# Altium PCB BMD-300-Eval.PcbDoc (part 3 of 3)
Units mm, origin at the board's own origin, x right, y up, seen from the top; angles counter-clockwise.
Board outline 87.63 x 55.88 mm, 4 copper layers (Top, Layer 2, Layer 3, Bottom), stack 1.58 mm thick; 189 components, 108 nets, 599 pads, 464 vias.
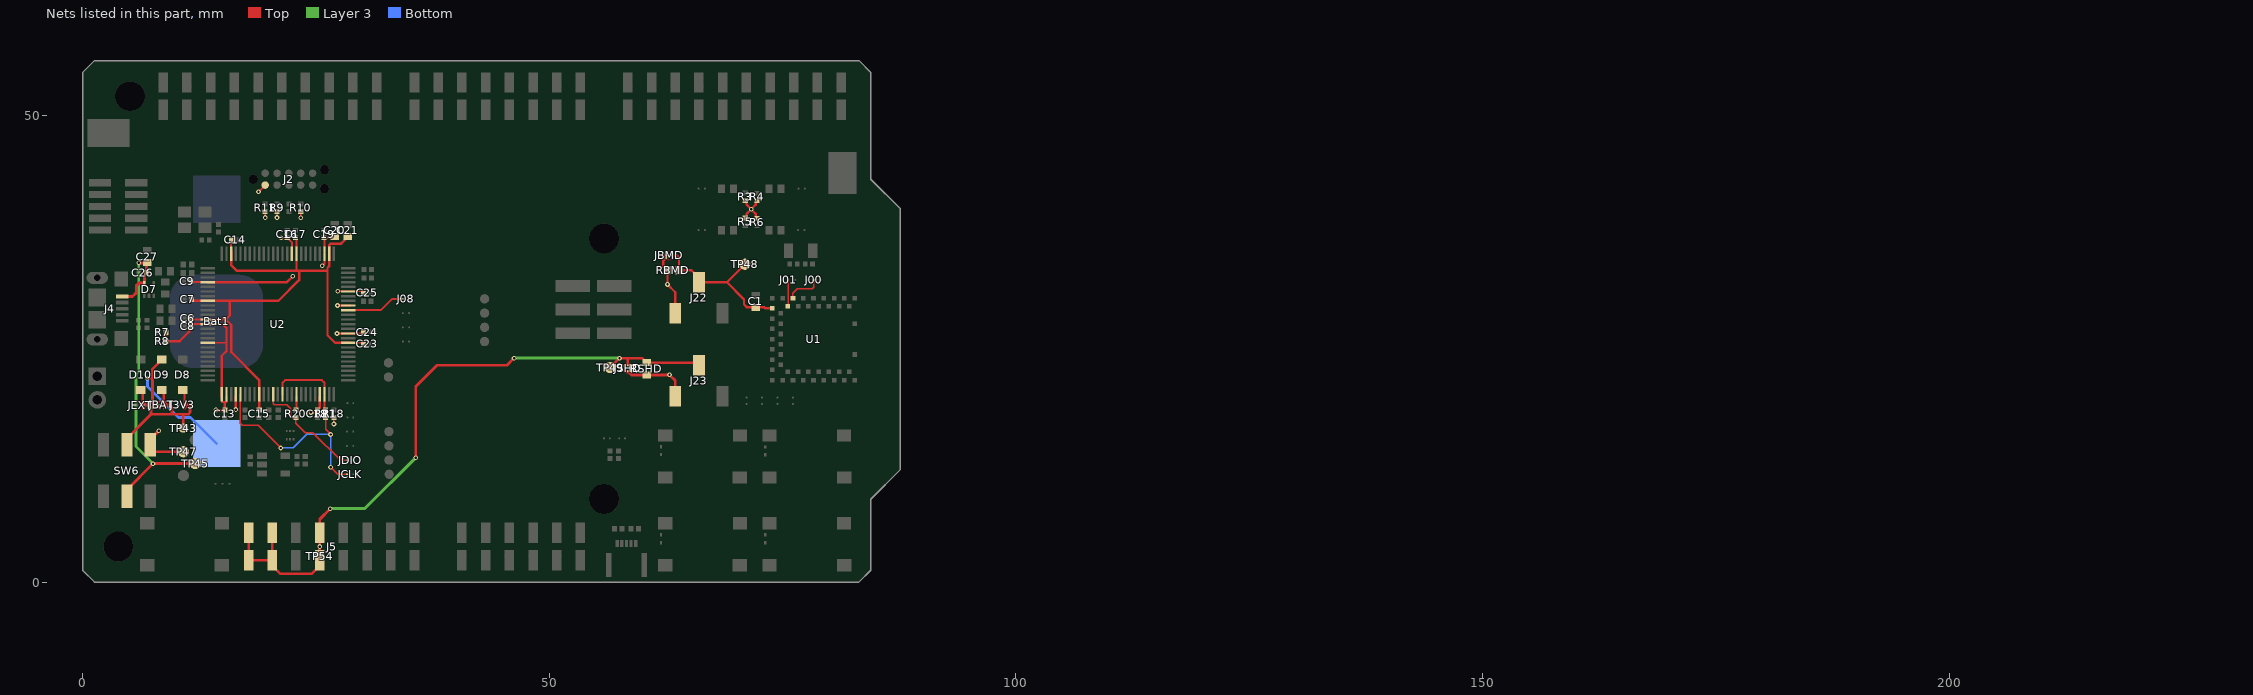
[diagram p5: the nets of this part, all layers, seen from the top]

## Via types
v1: diameter 0.508, hole 0.254, Top to Bottom, tented both sides, 241 vias
v2: diameter 0.508, hole 0.254, Top to Bottom, 223 vias

## Nets (pads, with @x,y where several pads share a name; then routed paths per layer and width w, separated by ;. In a path a pad name is that pad's centre, name@x,y a point inside that pad or via, vN(x,y) a via of type N, cw(c..) or ccw(c..) an arc to the next point about the centre after c; other vN are vias at no path point) (continued)
TCKIN: JCLK.1 R21.1 U2.5 | length 22.1
  Top w0.152: U2.5@16.914,20.123 16.891,20.1 16.891,18.684 16.895,18.68 16.895,18.278 16.891,18.274 16.891,17.018 17.12,16.789 18.806,16.789 21.219,14.376 v2(21.234,14.376) ; R21.1@26.035,17.634 26.035,16.358 v2(26.568,15.824) ; v2(26.568,12.319) 27.33,11.557 JCLK.1@28.321,11.557
  Bottom w0.152: v2(21.234,14.376) 22.581,14.376 24.028,15.824 v2(26.568,15.824) v2(26.568,12.319)
TCKOUT: R21.2 U2.14 U2.23 | length 8.7
  Top w0.229: U2.14@21.414,20.123 21.414,21.363 21.692,21.641 25.629,21.641 25.914,21.355 U2.23@25.914,20.123 ; U2.23@25.914,19.873 25.914,18.555 R21.2@26.035,18.434
TMSIN: JDIO.1 R20.1 U2.12 | length 12.2
  Top w0.152: U2.12@20.414,20.123 20.414,19.108 20.523,18.999 21.844,18.999 22.276,18.567 22.276,17.805 22.447,17.634 R20.1@22.86,17.634 22.86,17.018 23.844,16.034 24.682,16.034 27.635,13.081 JDIO.1@28.321,13.081
TMSOUT: R20.2 U2.17 | length 1.5
  Top w0.229: R20.2@22.86,18.434 22.914,18.488 U2.17@22.914,19.873
TXD: J08.1 U2.41 | length 6.1
  Top w0.203: U2.41@28.689,29.148 31.947,29.148 ; 31.961,29.148 33.166,30.353 J08.1@34.309,30.353
VBAT: Bat1.1@14.351,14.859 D9.A JBAT.2 | length 17.2
  Top w0.305: v2(6.934,21.844) 7.493,21.844 ; JBAT.2@8.179,18.999 8.004,18.999 7.696,18.999 7.493,19.202 7.493,22.855 D9.A@8.491,23.853
  Bottom w0.305: v2(6.934,21.844) 6.934,20.98 10.262,17.653 11.557,17.653 Bat1.1@14.351,14.859
VBMD: C1.1 J22.2 JBMD.1 RBMD.2 TP48.1 U1.17 | length 17.2
  Top w0.254: JBMD.1@63.195,35.001 63.37,35.001 63.703,35.001 63.896,34.808 RBMD.2@63.896,33.426 65.227,33.426 66.04,32.614 J22.2@66.04,32.13 69.036,32.13 ; TP48.1@70.968,34.061 69.036,32.13 ; U1.17@73.915,29.34 73.124,29.34 73.025,29.439 72.116,29.439 C1.1@72.115,29.44 71.195,29.44 70.866,29.769 70.866,30.3 69.036,32.13
VBUS: C26.1 C27.1 D7.5 J4.1 SW6.5 TP45.1 | length 38.2
  Top w0.305: J4.1@4.24,30.605 5.34,30.605 5.74,31.005 5.74,31.755 6.029,32.044 D7.5@6.612,32.044 6.612,32.588 C26.1@6.852,33.172 6.852,34.167 C27.1@6.898,34.214 ; SW6.5@4.74,9.205 4.74,9.896 v2(7.544,12.7) TP45.1@12.065,12.7 ; v2(6.02,34.214) C27.1@6.898,34.214 ; C27.1@6.909,34.224 C27.1@6.898,34.214
  Layer 3 w0.305: v2(6.02,34.214) 6.02,22.7 6.071,22.649 5.715,22.294 5.715,14.529 v2(7.544,12.7)
VCORE: C6.1 C7.1 C14.1 C15.1 C17.1 C21.1 C23.1 U2.9 U2.34 U2.52 U2.59 U2.73 U2.83 U2.87 | length 64.2
  Top w0.203: C6.1@11.662,28.283 11.797,28.148 U2.87@13.139,28.148 ; U2.73@15.914,35.423 15.914,36.637 C14.1@15.942,36.665 ; C17.1@22.819,36.9 22.914,36.805 U2.59@22.914,35.423 ; 26.414,36.066 26.416,36.068 26.416,36.115 ; C21.1@28.067,36.691 C21.1@28.407,37.031 ; U2.34@28.689,25.648 29.959,25.648 C23.1@30.08,25.527
  Top w0.254: C7.1@11.662,30.315 11.829,30.148 13.139,30.148 13.147,30.14 15.75,30.14 15.758,30.148 ; U2.87@13.139,28.148 15.333,28.148 ; U2.73@15.914,35.423 15.914,33.981 16.54,33.355 26.24,33.355 26.24,33.689 ; C15.1@18.923,18.434 18.923,19.864 18.914,19.873 18.914,21.656 15.926,24.644 15.926,27.555 15.333,28.148 ; 22.911,33.356 22.911,33.629 U2.59@22.914,35.173 22.915,35.422 U2.59@22.914,35.423 ; 23.19,33.35 23.19,32.36 20.979,30.148 15.758,30.148 ; 26.414,36.066 U2.52@26.414,35.173 26.414,33.863 26.24,33.689 ; 26.416,36.115 26.572,36.271 27.697,36.271 28.067,36.641 C21.1@28.067,36.691 ; U2.34@28.689,25.648 27.047,25.648 26.24,26.455 26.24,33.689 ; 15.333,28.148 15.758,28.573 15.758,30.148
VIO: C8.1 C9.1 C13.1 C16.1 C18.1 C19.1 C20.1 C24.1 C25.1 J2.1 J22.3 J23.3 JBMD.2 JSHD.2 R3.2 R4.2 R5.1 R6.1 R7.2 R8.2 R9.2 R10.2 R11.2 R18.2 RBMD.1 RSHD.1 SW6.1 TP47.1 U2.1 U2.2 U2.4 U2.22 U2.36 U2.42 U2.45 U2.53 U2.60 U2.79 U2.88 U2.92 | length 78.5
  Top w0.152: v2(18.847,41.834) J2.1@19.558,42.545 ; v2(19.558,39.065) R11.2@19.558,39.732 ; v2(20.828,39.065) R9.2@20.828,39.732 ; v2(23.368,39.04) R10.2@23.368,39.732 ; v2(26.924,16.942) R18.2@26.924,17.634
  Top w0.203: C9.1@11.732,32.148 U2.79@13.139,32.148 ; U2.92@13.389,25.648 15.386,25.648 15.418,25.679 ; v2(21.295,36.9) C16.1@21.93,36.9 21.93,36.895 22.414,36.411 U2.60@22.414,35.423 ; C19.1@25.867,36.9 C19.1@25.914,36.853 ; C20.1@26.879,36.9 C20.1@27.01,37.031 ; v2(27.254,26.645) 29.928,26.645 C24.1@30.08,26.797 ; v2(27.33,31.166) 29.887,31.166 29.912,31.14 29.92,31.148 C25.1@30.08,30.988
  Top w0.254: SW6.1@7.24,15.317 SW6.1@7.24,14.705 7.24,14.274 7.544,13.97 TP47.1@10.795,13.97 ; R8.2@8.94,25.805 R7.2@8.94,26.78 8.94,25.806 10.389,25.806 11.405,26.822 11.405,27.137 C8.1@11.662,27.394 11.923,27.655 13.132,27.655 13.139,27.648 14.331,27.648 14.344,27.661 14.986,27.661 15.418,27.229 15.418,25.679 15.418,24.76 14.914,24.256 U2.1@14.914,19.873 ; U2.79@13.389,32.148 21.886,32.148 v2(22.504,32.766) ; v2(14.288,18.453) 14.307,18.434 C13.1@15.24,18.434 15.24,19.306 ; U2.1@14.926,19.861 14.926,19.305 14.927,19.306 15.24,19.306 ; U2.2@15.414,19.873 15.414,19.306 15.24,19.306 ; v2(16.408,18.491) 16.408,19.867 U2.4@16.414,19.873 ; v2@24.46,18.139 v2(24.46,18.186) 24.898,18.186 C18.1@25.146,18.434 25.414,18.702 U2.22@25.414,19.873 ; v2(25.672,33.896) 25.914,34.138 U2.53@25.914,35.173 ; C19.1@25.867,36.9 C20.1@26.879,36.9 ; U2.53@25.914,35.423 C19.1@25.914,36.853 ; v2(27.305,29.642) 28.683,29.642 U2.42@28.689,29.648 ; 62.57,34.783 62.501,34.714 62.23,34.442 62.23,33.792 RBMD.1@62.596,33.426 62.662,33.361 v2(62.662,31.902) 63.5,31.064 J22.3@63.5,28.83 ; R5.1@70.993,39.008 71.14,39.155 71.14,39.455 v2(71.64,39.955) ; R3.2@70.993,40.894 71.14,40.747 71.14,40.455 v2(71.64,39.955) ; R4.2@72.115,40.727 72.115,40.43 v2(71.64,39.955) ; R6.1@72.263,38.989 72.115,39.137 72.115,39.48 v2(71.64,39.955)
  Top w0.305: SW6.1@7.24,15.317 v2(8.153,16.231) ; JSHD.2@58.42,22.606 58.569,22.457 58.816,22.21 ; 58.943,22.21 RSHD.1@60.452,22.21 ; RSHD.1@60.579,22.21 v2(62.88,22.21) 63.5,21.59 J23.3@63.5,19.94
VSHLD: J5.1 J5.2 J5.4 J23.2 JSHD.1 RSHD.2 TP49.1 TP54.1 | length 75.5
  Top w0.254: J5.1@17.78,5.275 J5.1@17.78,2.345 J5.2@20.32,2.345 ; J5.2@20.32,5.275 J5.2@20.32,2.345 ; J5.4@25.4,5.275 v2(25.4,3.81) J5.4@25.4,2.345 25.4,1.778 24.511,0.889 21.209,0.889 20.32,1.778 J5.2@20.32,2.345 ; TP49.1@56.515,22.987 v2(57.531,24.003) 58.42,24.003 ; JSHD.1@58.42,23.231 58.42,23.405 58.42,24.003 ; 58.674,24.003 58.547,24.003 ; RSHD.2@60.452,23.51 59.959,24.003 58.547,24.003 ; RSHD.2@60.579,23.51 65.77,23.51 J23.2@66.04,23.24 ; 58.42,24.003 58.547,24.003
  Top w0.305: J5.4@25.4,5.275 25.4,6.731 v2(26.543,7.874) ; v2(35.687,13.335) 35.687,20.955 37.973,23.241 45.466,23.241 v2(46.228,24.003)
  Layer 3 w0.305: v2(26.543,7.874) 30.226,7.874 v2(35.687,13.335) ; v2(46.228,24.003) v2(57.531,24.003)
  Bottom w0.254: TP54.1@25.4,2.794 v2(25.4,3.81)
VSUPPLY: D8.C D9.C D10.C J3V3.1 JBAT.1 JEXT.1 SW6.2 TP43.1 | length 19.3
  Top w0.254: D10.C@6.241,20.598 6.45,20.388 6.45,19.386 6.45,19.286 6.443,19.279 6.443,19.101 ; D9.C@8.491,20.593 8.701,20.383 8.701,19.411 8.701,19.312 8.694,19.305 8.694,19.126 ; D8.C@10.716,20.593 10.911,20.398 10.911,19.411 10.911,19.109 10.904,19.109 J3V3.1@11.013,18.999 ; TP43.1@10.795,16.51 10.795,17.958 10.82,17.983
  Top w0.305: SW6.2@4.74,14.705 4.74,15.408 7.315,17.983 ; 6.728,18.974 7.061,18.974 7.087,18.948 7.087,18.937 7.315,18.708 7.315,17.983 ; JBAT.1@8.804,18.999 8.978,18.999 9.271,18.999 9.576,18.694 9.576,17.983 ; J3V3.1@11.013,18.999 11.188,18.999 11.506,18.999 11.506,18.161 11.328,17.983 10.82,17.983 9.576,17.983 ; 7.315,17.983 9.576,17.983
XL1: J00.2 U1.13 | length 3.8
  Top w0.152: U1.13@76.115,30.44 76.115,30.98 76.565,31.43 78.165,31.43 78.35,31.615 J00.2@78.35,32.39
XL2: J01.2 U1.14 | length 2.9
  Top w0.152: U1.14@75.565,29.54 75.6,29.575 J01.2@75.6,32.39
pads on no net: Bat1.0 Bat1.1@14.351,41.021 D7.4 J1.0 J1.1 J1.3 J1.5 J2.7 J2.9 J2.A J2.B J2.C J3.7 J3.8 J4.4 J5.8 SW1.2 SW2.2 SW3.2 SW4.2 SW5.1 SW6.3 SW6.6 U2.8 U2.10 U2.11 U2.13 U2.15 U2.16 U2.19 U2.21 U2.26 U2.28 U2.29 U2.30 U2.31 U2.37 U2.44 U2.48 U2.49 U2.50 U2.58 U2.62 U2.63 U2.64 U2.65 U2.66 U2.69 U2.86 U2.93 U2.94 U2.95 U2.96 U2.99 U2.100 U3.4
copper on no net: | length 206.2
  Top w0.2: 204.513,21.475 204.513,23.888 227.881,23.888 227.881,21.475 204.513,21.475
  Layer 2 w0.2: 204.513,18.427 204.513,20.84 227.881,20.84 227.881,18.427 204.513,18.427
  Layer 3 w0.2: 204.513,15.379 204.513,17.792 227.881,17.792 227.881,15.379 204.513,15.379
  Bottom w0.2: 204.513,12.458 204.513,14.871 227.881,14.871 227.881,12.458 204.513,12.458

## Polygon pours and split planes (outlines as drawn)
GND on Bottom "Bottom-GND" (solid, remove dead copper, pour order 5): 0,1.27 0,54.61 1.275,55.885 83.195,55.885 84.465,54.615 84.465,43.17 87.63,40.005 87.63,12.065 84.465,8.9 84.465,1.275 83.195,0.005 1.265,0.005
GND on Top "Top-GND" (solid, remove dead copper, pour order 2): 0,1.27 0,54.61 1.27,55.88 83.185,55.88 84.455,54.61 84.455,43.18 87.63,40.005 87.63,12.065 84.455,8.89 84.455,1.27 83.185,0 1.27,0
GND on Layer 2 "L2-GND" (solid, pour order 3): 0,1.27 0,54.61 1.27,55.88 83.185,55.88 84.455,54.61 84.455,43.18 87.63,40.005 87.63,12.065 84.455,8.89 84.455,1.27 83.185,0 1.27,0
VIO on Layer 3 "L3-VIO" (solid, pour order 4): 0,1.27 0,54.61 1.27,55.88 83.185,55.88 84.455,54.61 84.455,43.18 87.63,40.005 87.63,12.065 84.455,8.89 84.455,1.27 83.185,0 1.27,0

## Keep-outs
Keep-Out Layer:
  rectangle: 204.513,-5.728 209.339,-3.315
  pour cut-out: 82.97,55.88 83.185,55.88 84.455,54.61 84.455,43.18 87.63,40.005 87.63,12.065 84.455,8.89 84.455,1.27 83.185,0 82.97,0
  lines w0.2: 227.881,-5.728 204.513,-5.728 204.513,-3.315 227.881,-3.315
  lines w0.254: 0,1.27 0,54.61 1.27,55.88 8.89,55.88 83.185,55.88 84.455,54.61 84.455,43.18 87.63,40.005 87.63,12.065 84.455,8.89 84.455,1.27 83.185,0 1.27,0 0,1.27
  text "Routing Keepout Layer" at 211.117,-5.042 h1.02

## Other copper
Top:
  rectangle: 204.513,21.475 209.339,23.888
  text ".Layer_Name" at 211.117,22.161 h1.02
Layer 2:
  rectangle: 204.513,18.427 209.339,20.84
  text ".Layer_Name" at 211.117,19.113 h1.02
Layer 3:
  rectangle: 204.513,15.379 209.339,17.792
  text ".Layer_Name" at 211.117,16.065 h1.02
Bottom:
  rectangle: 204.513,12.458 209.339,14.871
  text ".Layer_Name" at 211.117,13.144 h1.02
Multi-Layer:
  rectangle: 204.259,-8.776 209.085,-6.363
  lines w0.2: 204.259,-8.776 204.259,-6.363 227.627,-6.363 227.627,-8.776 204.259,-8.776
  text "Multilayer" at 210.863,-8.09 h1.02

## Silkscreen, mask and mechanical layers (free items; w line width, h text height)
Top Overlay:
  drawing of 499 lines, arcs and shapes, not listed
  text "GND" at 0.508,50.089 h1.02
  text "P0.27" at 8.255,48.768 h0.76 r270
  text "P0.26" at 10.795,48.768 h0.76 r270
  text "P0.02" at 13.335,48.768 h0.76 r270
  text "GND" at 15.875,48.768 h0.76 r270
  text "P0.25" at 18.415,48.768 h0.76 r270
  text "P0.24" at 20.955,48.768 h0.76 r270
  text "P0.23" at 23.495,48.768 h0.76 r270
  text "P0.22" at 26.035,48.768 h0.76 r270
  text "P0.20" at 28.575,48.768 h0.76 r270
  text "P0.19" at 31.115,48.768 h0.76 r270
  text "P0.18" at 35.179,48.768 h0.76 r270
  text "P0.17" at 37.719,48.768 h0.76 r270
  text "P0.16" at 40.259,48.768 h0.76 r270
  text "P0.15" at 42.799,48.768 h0.76 r270
  text "P0.14" at 45.339,48.768 h0.76 r270
  text "P0.13" at 47.879,48.768 h0.76 r270
  text "P0.12" at 50.419,48.768 h0.76 r270
  text "P0.11" at 52.959,48.768 h0.76 r270
  text "P0.10" at 58.039,48.768 h0.76 r270
  text "P0.09" at 60.579,48.768 h0.76 r270
  text "P0.08" at 63.119,48.768 h0.76 r270
  text "P0.07" at 65.659,48.768 h0.76 r270
  text "P0.06" at 68.199,48.768 h0.76 r270
  text "P0.05" at 70.739,48.768 h0.76 r270
  text "P0.21" at 73.279,48.768 h0.76 r270
  text "P0.01" at 75.692,48.768 h0.76 r270
  text "P0.00" at 78.359,48.768 h0.76 r270
  text "GND" at 80.899,48.768 h0.76 r270
  text "GND" at 83.185,44.729 h0.76 r270
  text "P0.17:" at 63.246,40.31 h0.76
  text ":P0.18" at 76.327,40.31 h0.76
  text "Streamlining Product Design" at 36.17,38.964 h0.76
  text "P0.19:" at 63.246,38.786 h0.76
  text ":P0.20" at 76.327,38.786 h0.76
  text ".GlobalProjectLink" at 38.024,36.551 h1.02
  text "BMD Current / Sense" at 62.027,34.468 h0.76
  text "VBMD" at 69.469,32.233 h0.76
  text "VCOM PORT" at 33.697,31.771 h1.02
  text "P0.24" at 46.863,31.42 h0.76
  text "5V0" at 59.309,31.42 h0.76
  text "P0.08:RXD" at 35.579,29.972 h0.76
  text "P0.25" at 46.863,28.88 h0.76
  text "P0.06:TXD" at 35.579,28.448 h0.76
  text ".Layer_Name" at 211.117,28.155 h0.76
  text ">" at 66.421,28.067 h0.76 r90
  text "P0.23" at 59.182,27.813 h0.76
  text "<VIO>" at 63.119,27.051 h0.76 r270
  text "<GND>" at 68.072,27.051 h0.76 r270
  text "P0.07:CTS" at 35.579,26.924 h0.76
  text "VBMD" at 64.643,26.924 h0.76
  text "RESET" at 46.863,26.34 h0.76
  text "GND" at 59.182,26.162 h0.76
  text "P0.05:RTS" at 35.579,25.4 h0.76
  text "VSHD" at 64.643,25.4 h0.76
  text ">" at 65.659,25.019 h0.76 r270
  text "EXT PWR" at 3.658,24.994 h1.02 r270
  text "+  -" at 2.819,22.631 h1.02 r270
  text "VSHLD" at 51.689,22.606 h0.76
  text "BMD-300 Series" at 76.403,19.558 h0.76
  text "Shield Current / Sense" at 54.635,18.161 h0.76
  text "P13:BUTTON1" at 61.976,17.196 h0.76
  text "P14:BTN2" at 76.759,17.12 h0.76
  text "BMD-300 Series Evaluation Board" at 35.331,16.713 h1.14
  text "<OFF ON>" at 1.016,16.307 h1.02
  text "NFC" at 55.601,16.307 h1.02
  text "VSUPPLY" at 13.183,16.205 h0.76
  text ".PCBDocNum" at 36.043,15.799 h1.14
  text ".GlobalProjectRevision" at 51.511,15.723 h1.14
  text "3V3" at 13.208,14.859 h0.76
  text "VIO" at 13.233,13.538 h0.76
  text "VBUS" at 13.233,12.421 h0.76
  text "5V0" at 13.208,11.278 h0.76
  text "VSHLD" at 17.526,10.541 h0.76 r270
  text "VSHLD" at 20.066,10.541 h0.76 r270
  text "RESET" at 22.479,10.541 h0.76 r270
  text "VSHLD" at 25.019,10.541 h0.76 r270
  text "P0.03" at 40.259,10.16 h0.76 r270
  text "P0.04" at 42.799,10.16 h0.76 r270
  text "P0.28" at 45.339,10.16 h0.76 r270
  text "P0.29" at 47.879,10.16 h0.76 r270
  text "P0.30" at 50.419,10.16 h0.76 r270
  text "P0.31" at 52.959,10.16 h0.76 r270
  text "BOOT<>P0.21" at 10.592,9.093 h0.61
  text "5V0" at 27.559,9.017 h0.76 r270
  text "GND" at 30.099,9.017 h0.76 r270
  text "GND" at 32.639,9.017 h0.76 r270
  text "P0.21:RESET" at 8.509,7.798 h0.81
  text "P15:BUTTON3" at 62.484,7.798 h0.76
  text "P16:BUTTON4" at 73.787,7.798 h0.76
  text "Power" at 0.889,6.782 h1.02
Bottom Overlay:
  drawing of 221 lines, arcs and shapes, not listed
  text "GND" at 16.637,51.435 h0.76 r90
  text "P0.27" at 9.017,51.308 h0.76 r90
  text "P0.26" at 11.557,51.308 h0.76 r90
  text "P0.02" at 14.097,51.308 h0.76 r90
  text "P0.25" at 19.177,51.308 h0.76 r90
  text "P0.24" at 21.717,51.308 h0.76 r90
  text "P0.23" at 24.257,51.308 h0.76 r90
  text "P0.22" at 26.797,51.308 h0.76 r90
  text "P0.20" at 29.337,51.308 h0.76 r90
  text "P0.19" at 31.877,51.308 h0.76 r90
  text "P0.18" at 35.941,51.308 h0.76 r90
  text "P0.17" at 38.481,51.308 h0.76 r90
  text "P0.16" at 41.021,51.308 h0.76 r90
  text "P0.15" at 43.561,51.308 h0.76 r90
  text "P0.14" at 46.101,51.308 h0.76 r90
  text "P0.13" at 48.641,51.308 h0.76 r90
  text "P0.12" at 51.181,51.308 h0.76 r90
  text "P0.11" at 53.721,51.308 h0.76 r90
  text "P0.10" at 58.801,51.308 h0.76 r90
  text "P0.09" at 61.341,51.308 h0.76 r90
  text "P0.08" at 63.881,51.308 h0.76 r90
  text "P0.07" at 66.421,51.308 h0.76 r90
  text "P0.06" at 68.961,51.308 h0.76 r90
  text "P0.05" at 71.501,51.308 h0.76 r90
  text "P0.21" at 74.041,51.308 h0.76 r90
  text "P0.01" at 76.581,51.308 h0.76 r90
  text "P0.00" at 79.121,51.308 h0.76 r90
  text "GND" at 81.661,51.308 h0.76 r90
  text "GND" at 6.655,49.53 h1.02 r90
  text "GND" at 79.477,45.949 h1.02 r90
  text "BMD-300 Series" at 28.804,42.393 h2.29 r90
  text "GPIO" at 31.579,42.382 h1.99 r90
  text ".PCBDocNum" at 84.557,41.072 h1.14 r90
  text "P00" at 34.323,40.986 h2.29 r90
  text "P06" at 44.864,40.96 h2.29 r90
  text "P09" at 53.525,40.96 h2.29 r90
  text "P10" at 58.877,40.97 h2.29 r90
  text "P01" at 38.92,40.935 h2.29 r90
  text "P05" at 42.324,40.935 h2.29 r90
  text "P07" at 47.404,40.935 h2.29 r90
  text "P08" at 49.944,40.935 h2.29 r90
  text "P13" at 62.364,40.909 h2.29 r90
  text "P14" at 65.056,40.909 h2.29 r90
  text "P15" at 67.876,40.909 h2.29 r90
  text "P16" at 70.695,40.909 h2.29 r90
  text "P17" at 73.515,40.909 h2.29 r90
  text "P18" at 76.334,40.909 h2.29 r90
  text "P19" at 79.026,40.909 h2.29 r90
  text "P20" at 81.592,40.909 h2.29 r90
  text "Function" at 31.579,36.474 h1.99 r90
  text "Button 1" at 62.11,35.499 h2.29 r90
  text "Button 2" at 64.802,35.499 h2.29 r90
  text "Button 3" at 67.749,35.499 h2.29 r90
  text "Button 4" at 70.441,35.499 h2.29 r90
  text "NFC2" at 58.381,34.634 h2.29 r90
  text "LED 1" at 73.515,34.61 h2.29 r90
  text "LED 2" at 76.334,34.61 h2.29 r90
  text "LED 3" at 79.026,34.61 h2.29 r90
  text "LED 4" at 81.592,34.61 h2.29 r90
  text "NFC1" at 53.58,34.583 h2.29 r90
  text "TXD" at 44.838,34.255 h2.29 r90
  text "XL1" at 34.323,34.229 h2.29 r90
  text "RTS" at 42.324,34.204 h2.29 r90
  text "XL2" at 38.895,34.178 h2.29 r90
  text "CTS" at 47.404,34.178 h2.29 r90
  text "RXD" at 49.944,34.178 h2.29 r90
  text ".GlobalProjectRevision" at 84.48,29.489 h1.14 r90
  text "Jumper" at 31.579,28.092 h1.99 r90
  text "J00" at 34.341,25.425 h2.29 r90
  text "J09" at 52.476,25.4 h2.29 r90
  text "J10" at 57.379,25.4 h2.29 r90
  text "J01" at 38.887,25.375 h2.29 r90
  text "J05" at 42.316,25.375 h2.29 r90
  text "J06" at 44.856,25.375 h2.29 r90
  text "J07" at 47.396,25.375 h2.29 r90
  text "J08" at 49.936,25.375 h2.29 r90
  text "J13" at 62.281,25.375 h2.29 r90
  text "J14" at 65.075,25.375 h2.29 r90
  text "J15" at 67.869,25.375 h2.29 r90
  text "J16" at 70.663,25.375 h2.29 r90
  text "J17" at 73.489,25.375 h2.29 r90
  text "J18" at 76.309,25.375 h2.29 r90
  text "J19" at 79.001,25.375 h2.29 r90
  text "J20" at 81.439,25.375 h2.29 r90
  text "R2" at 59.385,24.943 h2.29 r90
  text "R1" at 54.483,24.892 h2.29 r90
  text "HW" at 31.58,19.71 h1.99 r90
  text "BMD" at 34.562,19.336 h1.78 r90
  text "BMD" at 57.531,19.329 h1.78 r90
  text "BMD" at 47.32,19.269 h1.78 r90
  text "BMD" at 63.01,19.243 h1.78 r90
  text "BMD" at 77.361,19.243 h1.78 r90
  text "IF MCU" at 42.781,17.63 h1.78 r90
  text "PIN" at 68.58,17.465 h1.78 r90
  text "PIN" at 81.788,17.465 h1.78 r90
  text "PIN" at 52.738,16.449 h1.78 r90
  text "VIO" at 72.854,14.138 h1.78 r90
  text "NFC" at 55.811,14.011 h1.78 r90
  text "PIN" at 47.244,13.691 h1.78 r90
  text "PIN" at 33.325,13.462 h1.78 r90
  text "P0.03" at 41.021,7.29 h0.76 r90
  text "P0.04" at 43.561,7.29 h0.76 r90
  text "P0.28" at 46.101,7.29 h0.76 r90
  text "P0.29" at 48.641,7.29 h0.76 r90
  text "P0.30" at 51.181,7.29 h0.76 r90
  text "P0.31" at 53.721,7.29 h0.76 r90
  text "VSHLD" at 25.781,7.239 h0.76 r90
  text "5V0" at 28.321,7.239 h0.76 r90
  text "GND" at 30.861,7.239 h0.76 r90
  text ".Layer_Name" at 211.117,7.15 h1.02
Top Paste:
  rectangle: 204.513,30.467 209.339,32.88
  lines w0.2: 204.513,30.467 204.513,32.88 227.881,32.88 227.881,30.467 204.513,30.467
  text ".Layer_Name" at 211.117,31.153 h1.02
Bottom Paste:
  rectangle: 204.513,3.466 209.339,5.879
  lines w0.2: 204.513,3.466 204.513,5.879 227.881,5.879 227.881,3.466 204.513,3.466
  text ".Layer_Name" at 211.117,4.152 h1.02
Top Solder:
  rectangle: 204.513,24.472 209.339,26.885
  lines w0.2: 204.513,24.472 227.881,24.472 227.881,26.885 204.513,26.885 204.513,24.472
  text ".Layer_Name" at 211.117,25.158 h1.02
Bottom Solder:
  rectangle: 204.513,9.461 209.339,11.874
  lines w0.2: 204.513,9.461 204.513,11.874 227.881,11.874 227.881,9.461 204.513,9.461
  text ".Layer_Name" at 211.117,10.147 h1.02
Drill Guide:
  rectangle: 204.513,0.469 209.339,2.882
  lines w0.2: 204.513,0.469 227.881,0.469 227.881,2.882 204.513,2.882 204.513,0.469
  text ".Layer_Name" at 211.117,1.155 h1.02
Board Outline:
  rectangle: 204.513,57.455 209.339,59.868
  lines w0.051: 0,1.27 1.27,0 83.185,0 84.455,1.27 84.455,8.89 87.63,12.065 87.63,40.183 84.455,43.358 84.455,54.61 83.185,55.88 1.27,55.88 0,54.61 0,1.27
  lines w0.2: 204.513,57.455 227.881,57.455 227.881,59.868 204.513,59.868 204.513,57.455
  text ".Layer_Name" at 211.117,58.141 h1.02
Border & Title:
  drawing of 1359 lines, arcs and shapes, not listed
  text "1" at -5.56,175.625 h1.78
  text "2" at 64.307,175.625 h1.78
  text "3" at 134.03,175.625 h1.78
  text "4" at 203.905,175.625 h1.78
  text "REVISION" at 184.912,169.723 h2.03
  text "REV" at 149.098,165.405 h1.52
  text "DESCRIPTION" at 160.02,165.405 h1.52
  text "DATE" at 209.804,165.405 h1.52
  text "BY" at 225.806,165.405 h1.52
  text ".ReleaseRev1" at 149.098,161.595 h1.27
  text ".ReleaseDesc1" at 160.02,161.595 h1.27
  text ".ReleaseBy1" at 224.536,161.595 h1.27
  text ".ReleaseDate1" at 207.772,161.341 h1.27
  text ".ReleaseRev2" at 149.098,157.785 h1.27
  text ".ReleaseDesc2" at 160.02,157.785 h1.27
  text ".ReleaseDate2" at 207.772,157.785 h1.27
  text ".ReleaseBy2" at 224.536,157.785 h1.27
  text ".ReleaseRev3" at 149.098,153.975 h1.27
  text ".ReleaseDesc3" at 160.02,153.975 h1.27
  text ".ReleaseDate3" at 207.772,153.975 h1.27
  text ".ReleaseBy3" at 224.536,153.975 h1.27
  text "A" at -37.979,149.768 h1.78
  text "A" at 236.341,149.768 h1.78
  text "B" at -37.979,95.793 h1.78
  text "B" at 236.341,95.793 h1.78
  text "LAYER USAGE" at 205.783,61.277 h2.03
  text "C" at -37.979,41.818 h1.78
  text "C" at 236.341,41.818 h1.78
  text "D" at -37.979,-12.03 h1.78
  text "D" at 236.341,-12.03 h1.78
  text "PROJECT:" at 158.947,-15.282 h1.27
  text "ENGINEER:" at 120.441,-15.307 h1.27
  text ".ProjectEngineer" at 132.08,-16.967 h1.78
  text ".GlobalProjectName" at 169.926,-16.967 h2.03
  text "PCB NAME:" at 158.82,-20.717 h1.27
  text "DATE:" at 120.517,-20.819 h1.27
  text "REV:" at 212.135,-21.047 h1.27
  text ".GlobalProjectRevision" at 219.384,-22.942 h2.03
  text ".GlobalReleaseDate" at 127.762,-23.063 h1.78
  text ".PCBName" at 169.926,-23.063 h2.03
  text "For" at 88.9,-25.603 h1.78
  text ".GlobalClientName" at 95.504,-25.603 h2.03
  text "DWG NO:" at 120.65,-27.127 h1.27
  text "FILE NAME:" at 158.75,-27.127 h1.27
  text "SCALE:" at 212.008,-27.321 h1.27
  text "CONFIDENTIAL" at 86.106,-29.921 h2.03
  text ".Pcb_File_Name_No_Path" at 161.036,-29.921 h1.52
  text "1:1" at 220.72,-30.039 h1.27
  text ".PCBDocNum" at 127.254,-30.175 h1.52
  text "1" at -5.56,-35.195 h1.78
  text "2" at 64.307,-35.195 h1.78
  text "3" at 134.03,-35.195 h1.78
  text "4" at 203.905,-35.195 h1.78
Fabrication Notes:
  drawing of 302 lines, arcs and shapes, not listed
  text "Fabrication Notes:" at -30.988,168.961 h1.78
  text "1. Fabricate to meet or exceed IPC 6011/6012 Class 2, as definied in IPC-2221" at -30.988,165.151 h1.27
  text "2. Prepreg Material: 370HR or material with TG >= 170, TD >= 340" at -30.988,161.341 h1.27
  text "3. Minimum trace width is 6mil, minimum spacing is 6mil" at -30.988,157.531 h1.27
  text "4. Board finish: Electroless Nickel, Immersion Gold (ENIG)" at -30.988,153.721 h1.27
  text "5. Flammability: Materials to meet UL94V-0 specification" at -30.988,149.911 h1.27
  text "6. Apply LPI Soldermask (Blue) on both sides" at -30.988,146.101 h1.27
  text "4 Layer PCB 63mil +/- 10% Finished Thickness" at 89.662,146.101 h1.52
  text "7. Silkscreen on both sides using white epoxy ink or equivalent," at -30.988,142.291 h1.27
  text "All layer thickness and dielectric values are +/- 10% tolerance" at 89.662,142.291 h1.52
  text "registration to be 10mil, clear silkscreen from all exposed pads" at -27.178,139.751 h1.27
  text "Layer" at 90.934,138.227 h1.52
  text "Name" at 101.346,138.227 h1.52
  text "Material" at 124.962,138.227 h1.52
  text "Thickness" at 156.956,138.227 h1.52
  text "Constant" at 173.462,138.227 h1.52
  text "Board Layer Stack" at 187.937,138.227 h1.52
  text "8. Board should be panelized into 2 x 2 array. Routed with mouse-bites" at -30.988,135.941 h1.27
  text "1" at 90.934,135.179 h1.52
  text "Top Overlay" at 101.346,135.179 h1.52
  text "9. The fabricated board shall be RoHS compliant" at -30.988,132.131 h1.27
  text "2" at 90.934,132.131 h1.52
  text "Top Solder" at 101.346,132.131 h1.52
  text "Solder Resist" at 124.962,132.131 h1.52
  text "0.50mil" at 156.956,132.131 h1.52
  text "3.5" at 173.462,132.131 h1.52
  text "3" at 90.934,129.083 h1.52
  text "Top" at 101.346,129.083 h1.52
  text "Copper" at 124.962,129.083 h1.52
  text "1.70mil" at 156.956,129.083 h1.52
  text "4" at 90.934,126.035 h1.52
  text "Dielectric 1" at 101.346,126.035 h1.52
  text "Composite dielectric" at 124.962,126.035 h1.52
  text "4.50mil" at 156.956,126.035 h1.52
  text "4.2" at 173.462,126.035 h1.52
  text "5" at 90.934,122.987 h1.52
  text "Layer 2" at 101.346,122.987 h1.52
  text "Copper" at 124.962,122.987 h1.52
  text "1.40mil" at 156.956,122.987 h1.52
  text "6" at 90.934,119.939 h1.52
  text "Core" at 101.346,119.939 h1.52
  text "Composite dielectric" at 124.962,119.939 h1.52
  text "47.00mil" at 156.956,119.939 h1.52
  text "4.2" at 173.462,119.939 h1.52
  text "7" at 90.934,116.891 h1.52
  text "Layer 3" at 101.346,116.891 h1.52
  text "Copper" at 124.962,116.891 h1.52
  text "1.40mil" at 156.956,116.891 h1.52
  text "8" at 90.934,113.843 h1.52
  text "Dielectric 3" at 101.346,113.843 h1.52
  text "Composite dielectric" at 124.962,113.843 h1.52
  text "4.50mil" at 156.956,113.843 h1.52
  text "4.2" at 173.462,113.843 h1.52
  text "9" at 90.934,110.795 h1.52
  text "Bottom" at 101.346,110.795 h1.52
  text "Copper" at 124.962,110.795 h1.52
  text "1.70mil" at 156.956,110.795 h1.52
  text "10" at 90.934,107.747 h1.52
  text "Bottom Solder" at 101.346,107.747 h1.52
  text "Solder Resist" at 124.962,107.747 h1.52
  text "0.50mil" at 156.956,107.747 h1.52
  text "3.5" at 173.462,107.747 h1.52
  text "11" at 90.934,104.699 h1.52
  text "Bottom Overlay" at 101.346,104.699 h1.52
  text ".Layer_Name" at 211.117,55.257 h1.02
Rigid Outline:
  rectangle: 204.513,51.574 209.339,53.987
  lines w0.2: 204.513,51.574 204.513,53.987 227.881,53.987 227.881,51.574 204.513,51.574
  text ".Layer_Name" at 211.117,52.26 h1.02
Ref Des Top:
  rectangle: 204.513,48.577 209.339,50.99
  lines w0.2: 204.513,48.577 204.513,50.99 227.881,50.99 227.881,48.577 204.513,48.577
  text ".Layer_Name" at 211.117,49.263 h0.25
  text "$Id: CDI_001_rigid_flex_v1.5.brd 3140 2014-06-26 15:58:28Z davisj $" at -173.551,-55.442 h0.25
Ref Des Bottom:
  rectangle: 204.513,45.529 209.339,47.942
  lines w0.2: 204.513,45.529 204.513,47.942 227.881,47.942 227.881,45.529 204.513,45.529
  text ".Layer_Name" at 211.117,46.215 h1.02
Assembly Top:
  rectangle: 204.513,42.582 209.339,44.995
  lines w0.2: 204.513,42.582 227.881,42.582 227.881,44.995 204.513,44.995 204.513,42.582
  text ".Layer_Name" at 211.117,43.268 h1.02
Assembly Bottom:
  rectangle: 204.513,39.585 209.339,41.998
  lines w0.2: 204.513,39.585 227.881,39.585 227.881,41.998 204.513,41.998 204.513,39.585
  text ".Layer_Name" at 211.117,40.271 h1.02
Courtyard Top:
  rectangle: 204.513,36.537 209.339,38.95
  lines w0.2: 204.513,36.537 227.881,36.537 227.881,38.95 204.513,38.95 204.513,36.537
  text ".Layer_Name" at 211.117,37.223 h1.02
Coutryard Bottom:
  rectangle: 204.513,33.489 209.339,35.902
  lines w0.2: 204.513,33.489 227.881,33.489 227.881,35.902 204.513,35.902 204.513,33.489
  text ".Layer_Name" at 211.117,34.175 h1.02
Drill Drawing:
  circle w0.254: c91.125,80.029 r0.739
  rectangle: 204.513,-2.528 209.339,-0.115
  lines w0.2: 204.513,-2.528 204.513,-0.115 227.881,-0.115 227.881,-2.528 204.513,-2.528
  lines w0.254: 90.386,82.984 90.756,82.984 90.756,82.615 91.495,82.615 91.495,82.984 91.864,82.984 91.864,83.723 91.495,83.723 91.495,84.092 90.756,84.092 90.756,83.723 90.386,83.723 90.386,82.984 ; 90.386,85.94 91.864,85.94 91.864,87.417 90.386,87.417 90.386,85.94 ; 90.386,89.264 91.125,89.634 91.864,89.264 91.495,90.003 91.864,90.742 91.125,90.372 90.386,90.742 90.756,90.003 90.386,89.264 ; 90.386,92.589 90.386,92.958 90.756,93.328 90.386,93.697 90.386,94.067 90.756,94.067 91.125,93.697 91.495,94.067 91.864,94.067 91.864,93.697 91.495,93.328 91.864,92.958 91.864,92.589 91.495,92.589 91.125,92.958 90.756,92.589 90.386,92.589
  lines w0.381: 89.051,78.293 205.739,78.293 ; 89.051,94.916 205.739,94.916 ; 101.365,74.968 101.365,98.241 ; 116.935,74.968 116.935,98.241 ; 146.863,74.968 146.863,98.241 ; 158.179,74.968 158.179,98.241 ; 174.547,74.968 174.547,98.241 ; 89.051,74.968 205.739,74.968 205.739,98.241 89.051,98.241 89.051,74.968
  text "All drill holes and slots are +/- 5mil tolerance" at 89.662,99.111 h1.52
  text "Symbol" at 91.046,95.914 h1.6
  text "Hit Count" at 102.362,95.914 h1.6
  text "Finished Hole Size" at 117.932,95.914 h1.6
  text "Plated" at 147.861,95.914 h1.6
  text "Hole Type" at 159.177,95.914 h1.6
  text "Routed Path Length" at 175.545,95.914 h1.6
  text "464" at 102.362,92.589 h1.33
  text "10.00mil (0.254mm)" at 117.932,92.589 h1.33
  text "PTH" at 147.861,92.589 h1.33
  text "Round" at 159.177,92.589 h1.33
  text "-" at 175.545,92.589 h1.33
  text "2" at 102.362,89.264 h1.33
  text "27.56mil (0.700mm)" at 117.932,89.264 h1.33
  text "PTH" at 147.861,89.264 h1.33
  text "Slot" at 159.177,89.264 h1.33
  text "39.37mil (1.000mm)" at 175.545,89.264 h1.33
  text "3" at 102.362,85.94 h1.33
  text "39.37mil (1.000mm)" at 117.932,85.94 h1.33
  text "PTH" at 147.861,85.94 h1.33
  text "Round" at 159.177,85.94 h1.33
  text "-" at 175.545,85.94 h1.33
  text "2" at 102.362,82.615 h1.33
  text "40.00mil (1.016mm)" at 117.932,82.615 h1.33
  text "PTH" at 147.861,82.615 h1.33
  text "Round" at 159.177,82.615 h1.33
  text "-" at 175.545,82.615 h1.33
  text "4" at 102.362,79.29 h1.33
  text "125.98mil (3.200mm)" at 117.932,79.29 h1.33
  text "NPTH" at 147.861,79.29 h1.33
  text "Round" at 159.177,79.29 h1.33
  text "-" at 175.545,79.29 h1.33
  text "475 Total" at 102.362,75.965 h1.33
  text "Slot definitions :" at 91.046,72.687 h1.33
  text "Routed Path Length" at 114.026,72.687 h1.33
  text "= Calculated from tool start centre position to tool end centre position." at 138.557,72.687 h1.33
  text "Hole Length" at 114.026,70.407 h1.33
  text "= Routed Path Length + Tool Size = Slot length as defined in the PCB layout" at 129.472,70.407 h1.33
  text ".Layer_Name" at 211.117,-1.842 h1.02

## Dimensions
1.27,0 to 1.27,55.88 on Fabrication Notes
0,54.61 to 87.63,40.183 on Fabrication Notes